# Altium PCB 移动无线控制.PcbDoc (part 3 of 4) (continued)
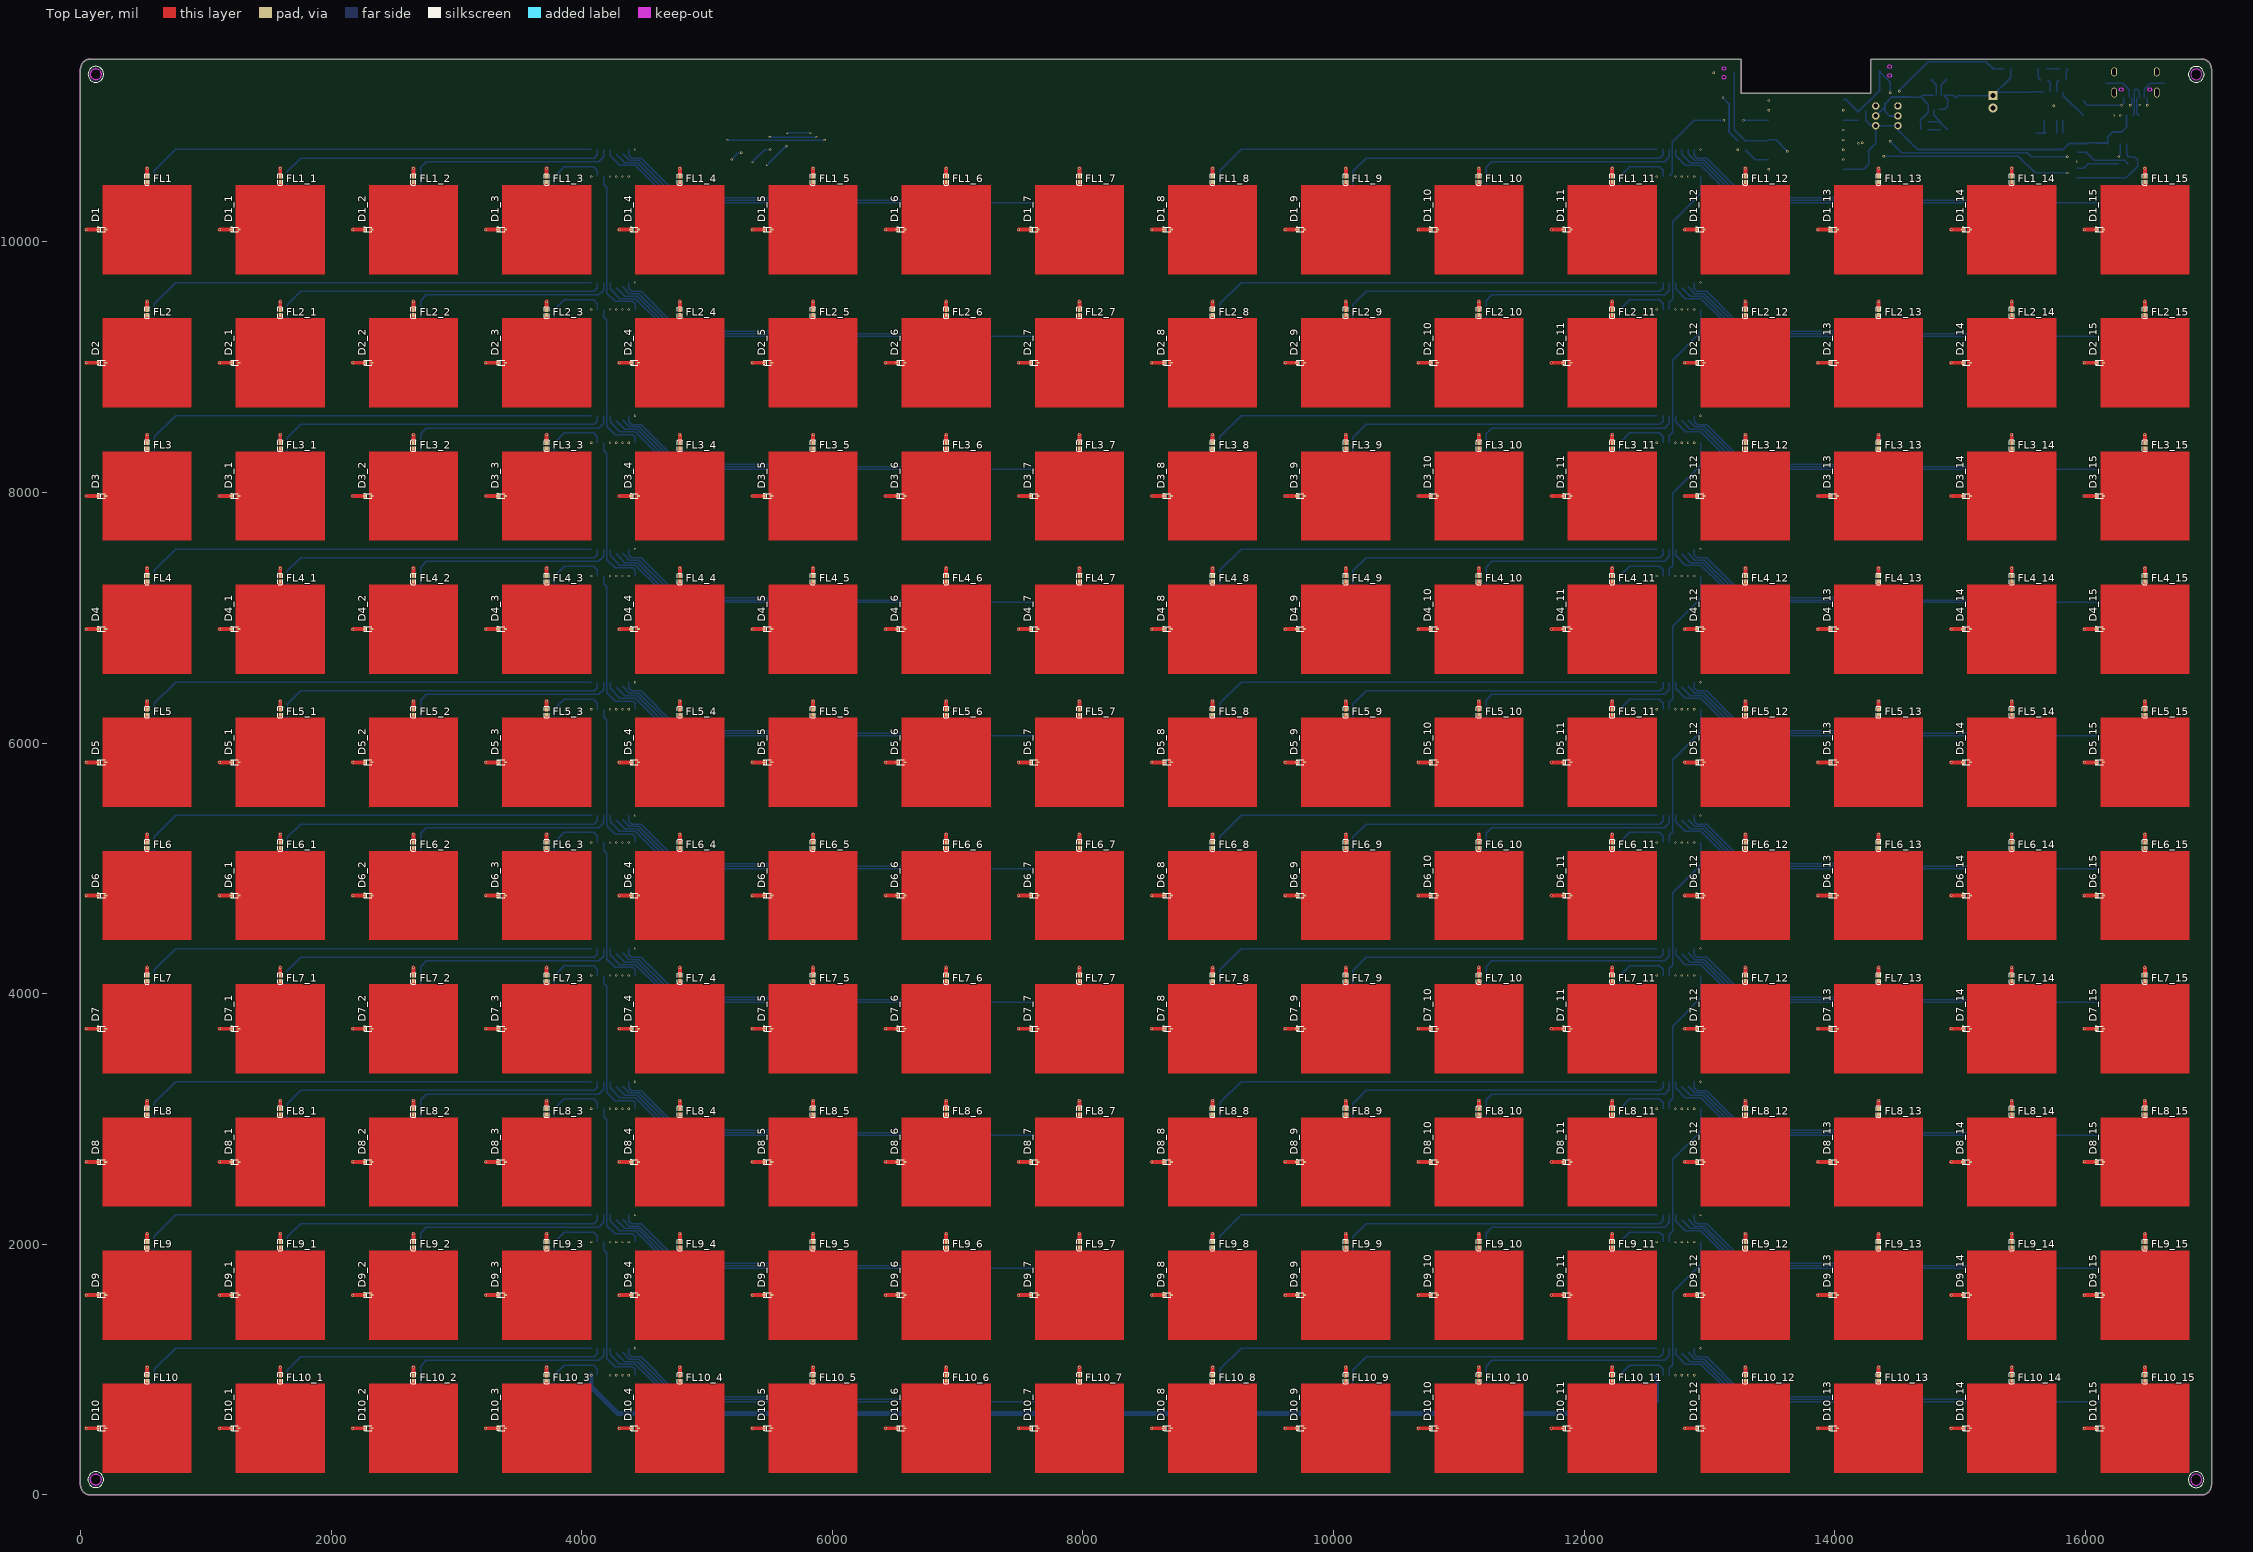
[diagram p0: Top Layer view]
## Nets (pads, with @x,y where several pads share a name; then routed paths per layer and width w, separated by ;. In a path a pad name is that pad's centre, name@x,y a point inside that pad or via, vN(x,y) a via of type N, cw(c..) or ccw(c..) an arc to the next point about the centre after c; other vN are vias at no path point) (continued)
NewNet547: 
NewNet548: U6_4.9 U6_6.14 | length 1166.5
  Bottom Layer w10: U6_6.14@12680.1,7333.92 12680.1,7391.62 12706.1,7417.62 12706.1,7994.42 12930.1,8218.42 U6_4.9@12930.1,8396.92
NewNet549: BR_8_5.2 U6_5.1 | length 3720.1
  Bottom Layer w10: BR_8_5.2@589.92,8279.52 589.92,8443.48 758.76,8612.32 U6_5.1@4076.16,8612.32
NewNet550: BR_7_5.2 U6_5.2 | length 2730.8
  Bottom Layer w10: BR_7_5.2@1650.92,8280.02 1650.92,8437.38 1757.16,8543.62 4101.46,8543.62 4126.16,8568.32 U6_5.2@4126.16,8612.32
NewNet551: BR_6_5.2 U6_5.3 | length 1744.5
  Bottom Layer w10: BR_6_5.2@2715.12,8279.52 2715.12,8468.38 2761.36,8514.62 4138.16,8514.62 4176.16,8552.62 U6_5.3@4176.16,8612.32
NewNet552: BR_5_5.2 U6_5.15 | length 558.4
  Bottom Layer w10: BR_5_5.2@3780.22,8277.02 3780.22,8394.58 3861.56,8475.92 4095.76,8475.92 4126.16,8445.52 U6_5.15@4126.16,8396.92
NewNet553: BR_4_5.2 U6_5.7 | length 507.6
  Bottom Layer w10: U6_5.7@4376.16,8612.32 4376.16,8564.02 4397.76,8542.42 4474.86,8542.42 BR_4_5.2@4723.53,8293.75
NewNet554: BR_3_5.2 U6_5.6 | length 1652.2
  Bottom Layer w10: U6_5.6@4326.16,8578.22 4380.16,8524.22 4457.26,8524.22 4661.56,8319.92 4661.56,8282.32 4718.86,8225.02 5729.82,8225.02 BR_3_5.2@5786.52,8281.72
NewNet555: BR_2_5.2 U6_5.5 | length 2782.1
  Bottom Layer w10: 4276.16,8572.82 4344.36,8504.62 4444.16,8504.62 4632.06,8316.72 4632.06,8274.32 4701.06,8205.32 6773.11,8205.32 BR_2_5.2@6849.51,8281.72
NewNet556: BR_1_5.2 U6_5.4 | length 3956.9
  Bottom Layer w10: U6_5.4@4226.16,8612.32 4226.16,8563.32 4304.86,8484.62 4428.66,8484.62 4598.86,8314.42 4598.86,8271.32 4684.66,8185.52 7816.3,8185.52 BR_1_5.2@7912.5,8281.72
NewNet557: 
NewNet558: U6_5.14 U6_7.9 | length 1248.5
  Bottom Layer w10: U6_5.14@4176.16,8396.92 4176.16,8335.99 4201.7,8310.45 4201.7,7465.25 4267.9,7399.05 4407.8,7399.05 4426.16,7380.69 U6_7.9@4426.16,7333.92
NewNet559: BR_8_6.2 U6_6.1 | length 3720.1
  Bottom Layer w10: BR_8_6.2@9093.86,7216.52 9093.86,7380.48 9262.7,7549.32 U6_6.1@12580.1,7549.32
NewNet560: BR_7_6.2 U6_6.2 | length 2730.8
  Bottom Layer w10: BR_7_6.2@10154.86,7217.02 10154.86,7374.38 10261.1,7480.62 12605.4,7480.62 12630.1,7505.32 U6_6.2@12630.1,7549.32
NewNet561: BR_6_6.2 U6_6.3 | length 1744.5
  Bottom Layer w10: BR_6_6.2@11219.06,7216.52 11219.06,7405.38 11265.3,7451.62 12642.1,7451.62 12680.1,7489.62 U6_6.3@12680.1,7549.32
NewNet562: BR_5_6.2 U6_6.15 | length 558.4
  Bottom Layer w10: BR_5_6.2@12284.16,7214.02 12284.16,7331.58 12365.5,7412.92 12599.7,7412.92 12630.1,7382.52 U6_6.15@12630.1,7333.92
NewNet563: BR_4_6.2 U6_6.7 | length 507.6
  Bottom Layer w10: U6_6.7@12880.1,7549.32 12880.1,7501.02 12901.7,7479.42 12978.8,7479.42 BR_4_6.2@13227.46,7230.76
NewNet564: BR_3_6.2 U6_6.6 | length 1652.2
  Bottom Layer w10: U6_6.6@12830.1,7515.22 12884.1,7461.22 12961.2,7461.22 13165.5,7256.92 13165.5,7219.32 13222.8,7162.02 14233.76,7162.02 BR_3_6.2@14290.46,7218.72
NewNet565: BR_2_6.2 U6_6.5 | length 2782.1
  Bottom Layer w10: 12780.1,7509.82 12848.3,7441.62 12948.1,7441.62 13136,7253.72 13136,7211.32 13205,7142.32 15277.05,7142.32 BR_2_6.2@15353.45,7218.72
NewNet566: BR_1_6.2 U6_6.4 | length 3956.9
  Bottom Layer w10: U6_6.4@12730.1,7549.32 12730.1,7500.32 12808.8,7421.62 12932.6,7421.62 13102.8,7251.42 13102.8,7208.32 13188.6,7122.52 16320.24,7122.52 BR_1_6.2@16416.44,7218.72
NewNet567: 
NewNet568: U6_6.9 U6_8.14 | length 1166.5
  Bottom Layer w10: U6_8.14@12680.1,6270.93 12680.1,6328.62 12706.1,6354.62 12706.1,6931.42 12930.1,7155.42 U6_6.9@12930.1,7333.92
NewNet569: BR_8_7.2 U6_7.1 | length 3720.1
  Bottom Layer w10: BR_8_7.2@589.92,7216.52 589.92,7380.48 758.76,7549.32 U6_7.1@4076.16,7549.32
NewNet570: BR_7_7.2 U6_7.2 | length 2730.8
  Bottom Layer w10: BR_7_7.2@1650.92,7217.02 1650.92,7374.38 1757.16,7480.62 4101.46,7480.62 4126.16,7505.32 U6_7.2@4126.16,7549.32
NewNet571: BR_6_7.2 U6_7.3 | length 1744.5
  Bottom Layer w10: BR_6_7.2@2715.12,7216.52 2715.12,7405.38 2761.36,7451.62 4138.16,7451.62 4176.16,7489.62 U6_7.3@4176.16,7549.32
NewNet572: BR_5_7.2 U6_7.15 | length 558.4
  Bottom Layer w10: BR_5_7.2@3780.22,7214.02 3780.22,7331.58 3861.56,7412.92 4095.76,7412.92 4126.16,7382.52 U6_7.15@4126.16,7333.92
NewNet573: BR_4_7.2 U6_7.7 | length 507.6
  Bottom Layer w10: U6_7.7@4376.16,7549.32 4376.16,7501.02 4397.76,7479.42 4474.86,7479.42 BR_4_7.2@4723.53,7230.76
NewNet574: BR_3_7.2 U6_7.6 | length 1652.2
  Bottom Layer w10: U6_7.6@4326.16,7515.22 4380.16,7461.22 4457.26,7461.22 4661.56,7256.92 4661.56,7219.32 4718.86,7162.02 5729.82,7162.02 BR_3_7.2@5786.52,7218.72
NewNet575: BR_2_7.2 U6_7.5 | length 2782.1
  Bottom Layer w10: 4276.16,7509.82 4344.36,7441.62 4444.16,7441.62 4632.06,7253.72 4632.06,7211.32 4701.06,7142.32 6773.11,7142.32 BR_2_7.2@6849.51,7218.72
NewNet576: BR_1_7.2 U6_7.4 | length 3956.9
  Bottom Layer w10: U6_7.4@4226.16,7549.32 4226.16,7500.32 4304.86,7421.62 4428.66,7421.62 4598.86,7251.42 4598.86,7208.32 4684.66,7122.52 7816.3,7122.52 BR_1_7.2@7912.5,7218.72
NewNet577: 
NewNet578: U6_7.14 U6_9.9 | length 1248.5
  Bottom Layer w10: U6_7.14@4176.16,7333.92 4176.16,7273 4201.7,7247.46 4201.7,6402.26 4267.9,6336.06 4407.8,6336.06 4426.16,6317.7 U6_9.9@4426.16,6270.93
NewNet579: BR_8_8.2 U6_8.1 | length 3720.1
  Bottom Layer w10: BR_8_8.2@9093.86,6153.53 9093.86,6317.49 9262.7,6486.33 U6_8.1@12580.1,6486.33
NewNet580: BR_7_8.2 U6_8.2 | length 2730.8
  Bottom Layer w10: BR_7_8.2@10154.86,6154.03 10154.86,6311.39 10261.1,6417.63 12605.4,6417.63 12630.1,6442.33 U6_8.2@12630.1,6486.33
NewNet581: BR_6_8.2 U6_8.3 | length 1744.5
  Bottom Layer w10: BR_6_8.2@11219.06,6153.53 11219.06,6342.39 11265.3,6388.63 12642.1,6388.63 12680.1,6426.63 U6_8.3@12680.1,6486.33
NewNet582: BR_5_8.2 U6_8.15 | length 558.4
  Bottom Layer w10: BR_5_8.2@12284.16,6151.03 12284.16,6268.59 12365.5,6349.93 12599.7,6349.93 12630.1,6319.53 U6_8.15@12630.1,6270.93
NewNet583: BR_4_8.2 U6_8.7 | length 507.6
  Bottom Layer w10: U6_8.7@12880.1,6486.33 12880.1,6438.03 12901.7,6416.43 12978.8,6416.43 BR_4_8.2@13227.46,6167.77
NewNet584: BR_3_8.2 U6_8.6 | length 1652.2
  Bottom Layer w10: U6_8.6@12830.1,6452.23 12884.1,6398.23 12961.2,6398.23 13165.5,6193.93 13165.5,6156.33 13222.8,6099.03 14233.76,6099.03 BR_3_8.2@14290.46,6155.73
NewNet585: BR_2_8.2 U6_8.5 | length 2782.1
  Bottom Layer w10: 12780.1,6446.83 12848.3,6378.63 12948.1,6378.63 13136,6190.73 13136,6148.33 13205,6079.33 15277.05,6079.33 BR_2_8.2@15353.45,6155.73
NewNet586: BR_1_8.2 U6_8.4 | length 3956.9
  Bottom Layer w10: U6_8.4@12730.1,6486.33 12730.1,6437.33 12808.8,6358.63 12932.6,6358.63 13102.8,6188.43 13102.8,6145.33 13188.6,6059.53 16320.24,6059.53 BR_1_8.2@16416.44,6155.73
NewNet587: 
NewNet588: U6_8.9 U6_10.14 | length 1166.5
  Bottom Layer w10: U6_10.14@12680.1,5207.94 12680.1,5265.63 12706.1,5291.63 12706.1,5868.43 12930.1,6092.43 U6_8.9@12930.1,6270.93
NewNet589: BR_8_9.2 U6_9.1 | length 3720.1
  Bottom Layer w10: BR_8_9.2@589.92,6153.53 589.92,6317.49 758.76,6486.33 U6_9.1@4076.16,6486.33
NewNet590: BR_7_9.2 U6_9.2 | length 2730.8
  Bottom Layer w10: BR_7_9.2@1650.92,6154.03 1650.92,6311.39 1757.16,6417.63 4101.46,6417.63 4126.16,6442.33 U6_9.2@4126.16,6486.33
NewNet591: BR_6_9.2 U6_9.3 | length 1744.5
  Bottom Layer w10: BR_6_9.2@2715.12,6153.53 2715.12,6342.39 2761.36,6388.63 4138.16,6388.63 4176.16,6426.63 U6_9.3@4176.16,6486.33
NewNet592: BR_5_9.2 U6_9.15 | length 558.4
  Bottom Layer w10: BR_5_9.2@3780.22,6151.03 3780.22,6268.59 3861.56,6349.93 4095.76,6349.93 4126.16,6319.53 U6_9.15@4126.16,6270.93
NewNet593: BR_4_9.2 U6_9.7 | length 507.6
  Bottom Layer w10: U6_9.7@4376.16,6486.33 4376.16,6438.03 4397.76,6416.43 4474.86,6416.43 BR_4_9.2@4723.53,6167.77
NewNet594: BR_3_9.2 U6_9.6 | length 1652.2
  Bottom Layer w10: U6_9.6@4326.16,6452.23 4380.16,6398.23 4457.26,6398.23 4661.56,6193.93 4661.56,6156.33 4718.86,6099.03 5729.82,6099.03 BR_3_9.2@5786.52,6155.73
NewNet595: BR_2_9.2 U6_9.5 | length 2782.1
  Bottom Layer w10: 4276.16,6446.83 4344.36,6378.63 4444.16,6378.63 4632.06,6190.73 4632.06,6148.33 4701.06,6079.33 6773.11,6079.33 BR_2_9.2@6849.51,6155.73
NewNet596: BR_1_9.2 U6_9.4 | length 3956.9
  Bottom Layer w10: U6_9.4@4226.16,6486.33 4226.16,6437.33 4304.86,6358.63 4428.66,6358.63 4598.86,6188.43 4598.86,6145.33 4684.66,6059.53 7816.3,6059.53 BR_1_9.2@7912.5,6155.73
NewNet597: 
NewNet598: U6_9.14 U6_11.9 | length 1248.5
  Bottom Layer w10: U6_9.14@4176.16,6270.93 4176.16,6210.01 4201.7,6184.47 4201.7,5339.27 4267.9,5273.07 4407.8,5273.07 4426.16,5254.71 U6_11.9@4426.16,5207.94
NewNet599: BR_8_10.2 U6_10.1 | length 3720.1
  Bottom Layer w10: BR_8_10.2@9093.86,5090.54 9093.86,5254.5 9262.7,5423.34 U6_10.1@12580.1,5423.34
NewNet600: BR_7_10.2 U6_10.2 | length 2730.8
  Bottom Layer w10: BR_7_10.2@10154.86,5091.04 10154.86,5248.4 10261.1,5354.64 12605.4,5354.64 12630.1,5379.34 U6_10.2@12630.1,5423.34
NewNet601: BR_6_10.2 U6_10.3 | length 1744.5
  Bottom Layer w10: BR_6_10.2@11219.06,5090.54 11219.06,5279.4 11265.3,5325.64 12642.1,5325.64 12680.1,5363.64 U6_10.3@12680.1,5423.34
NewNet602: BR_5_10.2 U6_10.15 | length 558.4
  Bottom Layer w10: BR_5_10.2@12284.16,5088.04 12284.16,5205.6 12365.5,5286.94 12599.7,5286.94 12630.1,5256.54 U6_10.15@12630.1,5207.94
NewNet603: BR_4_10.2 U6_10.7 | length 507.6
  Bottom Layer w10: U6_10.7@12880.1,5423.34 12880.1,5375.04 12901.7,5353.44 12978.8,5353.44 BR_4_10.2@13227.46,5104.78
NewNet604: BR_3_10.2 U6_10.6 | length 1652.2
  Bottom Layer w10: U6_10.6@12830.1,5389.24 12884.1,5335.24 12961.2,5335.24 13165.5,5130.94 13165.5,5093.34 13222.8,5036.04 14233.76,5036.04 BR_3_10.2@14290.46,5092.74
NewNet605: BR_2_10.2 U6_10.5 | length 2782.1
  Bottom Layer w10: 12780.1,5383.84 12848.3,5315.64 12948.1,5315.64 13136,5127.74 13136,5085.34 13205,5016.34 15277.05,5016.34 BR_2_10.2@15353.45,5092.74
NewNet606: BR_1_10.2 U6_10.4 | length 3956.9
  Bottom Layer w10: U6_10.4@12730.1,5423.34 12730.1,5374.34 12808.8,5295.64 12932.6,5295.64 13102.8,5125.44 13102.8,5082.34 13188.6,4996.54 16320.24,4996.54 BR_1_10.2@16416.44,5092.74
NewNet607: 
NewNet608: U6_10.9 U6_12.14 | length 1166.5
  Bottom Layer w10: U6_12.14@12680.1,4144.95 12680.1,4202.64 12706.1,4228.64 12706.1,4805.44 12930.1,5029.44 U6_10.9@12930.1,5207.94
NewNet609: BR_8_11.2 U6_11.1 | length 3720.1
  Bottom Layer w10: BR_8_11.2@589.92,5090.54 589.92,5254.5 758.76,5423.34 U6_11.1@4076.16,5423.34
NewNet610: BR_7_11.2 U6_11.2 | length 2730.8
  Bottom Layer w10: BR_7_11.2@1650.92,5091.04 1650.92,5248.4 1757.16,5354.64 4101.46,5354.64 4126.16,5379.34 U6_11.2@4126.16,5423.34
NewNet611: BR_6_11.2 U6_11.3 | length 1744.5
  Bottom Layer w10: BR_6_11.2@2715.12,5090.54 2715.12,5279.4 2761.36,5325.64 4138.16,5325.64 4176.16,5363.64 U6_11.3@4176.16,5423.34
NewNet612: BR_5_11.2 U6_11.15 | length 558.4
  Bottom Layer w10: BR_5_11.2@3780.22,5088.04 3780.22,5205.6 3861.56,5286.94 4095.76,5286.94 4126.16,5256.54 U6_11.15@4126.16,5207.94
NewNet613: BR_4_11.2 U6_11.7 | length 507.6
  Bottom Layer w10: U6_11.7@4376.16,5423.34 4376.16,5375.04 4397.76,5353.44 4474.86,5353.44 BR_4_11.2@4723.53,5104.78
NewNet614: BR_3_11.2 U6_11.6 | length 1652.2
  Bottom Layer w10: U6_11.6@4326.16,5389.24 4380.16,5335.24 4457.26,5335.24 4661.56,5130.94 4661.56,5093.34 4718.86,5036.04 5729.82,5036.04 BR_3_11.2@5786.52,5092.74
NewNet615: BR_2_11.2 U6_11.5 | length 2782.1
  Bottom Layer w10: 4276.16,5383.84 4344.36,5315.64 4444.16,5315.64 4632.06,5127.74 4632.06,5085.34 4701.06,5016.34 6773.11,5016.34 BR_2_11.2@6849.51,5092.74
NewNet616: BR_1_11.2 U6_11.4 | length 3956.9
  Bottom Layer w10: U6_11.4@4226.16,5423.34 4226.16,5374.34 4304.86,5295.64 4428.66,5295.64 4598.86,5125.44 4598.86,5082.34 4684.66,4996.54 7816.3,4996.54 BR_1_11.2@7912.5,5092.74
NewNet617: 
NewNet618: U6_11.14 U6_13.9 | length 1248.5
  Bottom Layer w10: U6_11.14@4176.16,5207.94 4176.16,5147.01 4201.7,5121.48 4201.7,4276.28 4267.9,4210.08 4407.8,4210.08 4426.16,4191.71 U6_13.9@4426.16,4144.95
NewNet619: BR_8_12.2 U6_12.1 | length 3720.1
  Bottom Layer w10: BR_8_12.2@9093.86,4027.55 9093.86,4191.51 9262.7,4360.35 U6_12.1@12580.1,4360.35
NewNet620: BR_7_12.2 U6_12.2 | length 2730.8
  Bottom Layer w10: BR_7_12.2@10154.86,4028.05 10154.86,4185.41 10261.1,4291.65 12605.4,4291.65 12630.1,4316.35 U6_12.2@12630.1,4360.35
NewNet621: BR_6_12.2 U6_12.3 | length 1744.5
  Bottom Layer w10: BR_6_12.2@11219.06,4027.55 11219.06,4216.41 11265.3,4262.65 12642.1,4262.65 12680.1,4300.65 U6_12.3@12680.1,4360.35
NewNet622: BR_5_12.2 U6_12.15 | length 558.4
  Bottom Layer w10: BR_5_12.2@12284.16,4025.05 12284.16,4142.61 12365.5,4223.95 12599.7,4223.95 12630.1,4193.55 U6_12.15@12630.1,4144.95
NewNet623: BR_4_12.2 U6_12.7 | length 507.6
  Bottom Layer w10: U6_12.7@12880.1,4360.35 12880.1,4312.05 12901.7,4290.45 12978.8,4290.45 BR_4_12.2@13227.46,4041.78
NewNet624: BR_3_12.2 U6_12.6 | length 1652.2
  Bottom Layer w10: U6_12.6@12830.1,4326.25 12884.1,4272.25 12961.2,4272.25 13165.5,4067.95 13165.5,4030.35 13222.8,3973.05 14233.76,3973.05 BR_3_12.2@14290.46,4029.75
NewNet625: BR_2_12.2 U6_12.5 | length 2782.1
  Bottom Layer w10: 12780.1,4320.85 12848.3,4252.65 12948.1,4252.65 13136,4064.75 13136,4022.35 13205,3953.35 15277.05,3953.35 BR_2_12.2@15353.45,4029.75
NewNet626: BR_1_12.2 U6_12.4 | length 3956.9
  Bottom Layer w10: U6_12.4@12730.1,4360.35 12730.1,4311.35 12808.8,4232.65 12932.6,4232.65 13102.8,4062.45 13102.8,4019.35 13188.6,3933.55 16320.24,3933.55 BR_1_12.2@16416.44,4029.75
NewNet627: 
NewNet628: U6_12.9 U6_14.14 | length 1166.5
  Bottom Layer w10: U6_14.14@12680.1,3081.96 12680.1,3139.65 12706.1,3165.65 12706.1,3742.45 12930.1,3966.45 U6_12.9@12930.1,4144.95
NewNet629: BR_8_13.2 U6_13.1 | length 3720.1
  Bottom Layer w10: BR_8_13.2@589.92,4027.55 589.92,4191.51 758.76,4360.35 U6_13.1@4076.16,4360.35
NewNet630: BR_7_13.2 U6_13.2 | length 2730.8
  Bottom Layer w10: BR_7_13.2@1650.92,4028.05 1650.92,4185.41 1757.16,4291.65 4101.46,4291.65 4126.16,4316.35 U6_13.2@4126.16,4360.35
NewNet631: BR_6_13.2 U6_13.3 | length 1744.5
  Bottom Layer w10: BR_6_13.2@2715.12,4027.55 2715.12,4216.41 2761.36,4262.65 4138.16,4262.65 4176.16,4300.65 U6_13.3@4176.16,4360.35
NewNet632: BR_5_13.2 U6_13.15 | length 558.4
  Bottom Layer w10: BR_5_13.2@3780.22,4025.05 3780.22,4142.61 3861.56,4223.95 4095.76,4223.95 4126.16,4193.55 U6_13.15@4126.16,4144.95
NewNet633: BR_4_13.2 U6_13.7 | length 507.6
  Bottom Layer w10: U6_13.7@4376.16,4360.35 4376.16,4312.05 4397.76,4290.45 4474.86,4290.45 BR_4_13.2@4723.53,4041.78
NewNet634: BR_3_13.2 U6_13.6 | length 1652.2
  Bottom Layer w10: U6_13.6@4326.16,4326.25 4380.16,4272.25 4457.26,4272.25 4661.56,4067.95 4661.56,4030.35 4718.86,3973.05 5729.82,3973.05 BR_3_13.2@5786.52,4029.75
NewNet635: BR_2_13.2 U6_13.5 | length 2782.1
  Bottom Layer w10: 4276.16,4320.85 4344.36,4252.65 4444.16,4252.65 4632.06,4064.75 4632.06,4022.35 4701.06,3953.35 6773.11,3953.35 BR_2_13.2@6849.51,4029.75
NewNet636: BR_1_13.2 U6_13.4 | length 3956.9
  Bottom Layer w10: U6_13.4@4226.16,4360.35 4226.16,4311.35 4304.86,4232.65 4428.66,4232.65 4598.86,4062.45 4598.86,4019.35 4684.66,3933.55 7816.3,3933.55 BR_1_13.2@7912.5,4029.75
NewNet637: 
NewNet638: U6_13.14 U6_15.9 | length 1248.5
  Bottom Layer w10: U6_13.14@4176.16,4144.95 4176.16,4084.02 4201.7,4058.48 4201.7,3213.28 4267.9,3147.08 4407.8,3147.08 4426.16,3128.72 U6_15.9@4426.16,3081.96
NewNet639: BR_8_14.2 U6_14.1 | length 3720.1
  Bottom Layer w10: BR_8_14.2@9093.86,2964.56 9093.86,3128.52 9262.7,3297.36 U6_14.1@12580.1,3297.36
NewNet640: BR_7_14.2 U6_14.2 | length 2730.8
  Bottom Layer w10: BR_7_14.2@10154.86,2965.06 10154.86,3122.42 10261.1,3228.66 12605.4,3228.66 12630.1,3253.36 U6_14.2@12630.1,3297.36
NewNet641: BR_6_14.2 U6_14.3 | length 1744.5
  Bottom Layer w10: BR_6_14.2@11219.06,2964.56 11219.06,3153.42 11265.3,3199.66 12642.1,3199.66 12680.1,3237.66 U6_14.3@12680.1,3297.36
NewNet642: BR_5_14.2 U6_14.15 | length 558.4
  Bottom Layer w10: BR_5_14.2@12284.16,2962.06 12284.16,3079.62 12365.5,3160.96 12599.7,3160.96 12630.1,3130.56 U6_14.15@12630.1,3081.96
NewNet643: BR_4_14.2 U6_14.7 | length 507.6
  Bottom Layer w10: U6_14.7@12880.1,3297.36 12880.1,3249.06 12901.7,3227.46 12978.8,3227.46 BR_4_14.2@13227.46,2978.79
NewNet644: BR_3_14.2 U6_14.6 | length 1652.2
  Bottom Layer w10: U6_14.6@12830.1,3263.26 12884.1,3209.26 12961.2,3209.26 13165.5,3004.96 13165.5,2967.36 13222.8,2910.06 14233.76,2910.06 BR_3_14.2@14290.46,2966.76
NewNet645: BR_2_14.2 U6_14.5 | length 2782.1
  Bottom Layer w10: 12780.1,3257.86 12848.3,3189.66 12948.1,3189.66 13136,3001.76 13136,2959.36 13205,2890.36 15277.05,2890.36 BR_2_14.2@15353.45,2966.76
NewNet646: BR_1_14.2 U6_14.4 | length 3956.9
  Bottom Layer w10: U6_14.4@12730.1,3297.36 12730.1,3248.36 12808.8,3169.66 12932.6,3169.66 13102.8,2999.46 13102.8,2956.36 13188.6,2870.56 16320.24,2870.56 BR_1_14.2@16416.44,2966.76
NewNet647: 
NewNet648: U6_14.9 U6_16.14 | length 1166.5
  Bottom Layer w10: U6_16.14@12680.1,2018.96 12680.1,2076.66 12706.1,2102.66 12706.1,2679.46 12930.1,2903.46 U6_14.9@12930.1,3081.96
NewNet649: BR_8_15.2 U6_15.1 | length 3720.1
  Bottom Layer w10: BR_8_15.2@589.92,2964.56 589.92,3128.52 758.76,3297.36 U6_15.1@4076.16,3297.36
NewNet650: BR_7_15.2 U6_15.2 | length 2730.8
  Bottom Layer w10: BR_7_15.2@1650.92,2965.06 1650.92,3122.42 1757.16,3228.66 4101.46,3228.66 4126.16,3253.36 U6_15.2@4126.16,3297.36
NewNet651: BR_6_15.2 U6_15.3 | length 1744.5
  Bottom Layer w10: BR_6_15.2@2715.12,2964.56 2715.12,3153.42 2761.36,3199.66 4138.16,3199.66 4176.16,3237.66 U6_15.3@4176.16,3297.36
NewNet652: BR_5_15.2 U6_15.15 | length 558.4
  Bottom Layer w10: BR_5_15.2@3780.22,2962.06 3780.22,3079.62 3861.56,3160.96 4095.76,3160.96 4126.16,3130.56 U6_15.15@4126.16,3081.96
NewNet653: BR_4_15.2 U6_15.7 | length 507.6
  Bottom Layer w10: U6_15.7@4376.16,3297.36 4376.16,3249.06 4397.76,3227.46 4474.86,3227.46 BR_4_15.2@4723.53,2978.79
NewNet654: BR_3_15.2 U6_15.6 | length 1652.2
  Bottom Layer w10: U6_15.6@4326.16,3263.26 4380.16,3209.26 4457.26,3209.26 4661.56,3004.96 4661.56,2967.36 4718.86,2910.06 5729.82,2910.06 BR_3_15.2@5786.52,2966.76
NewNet655: BR_2_15.2 U6_15.5 | length 2782.1
  Bottom Layer w10: 4276.16,3257.86 4344.36,3189.66 4444.16,3189.66 4632.06,3001.76 4632.06,2959.36 4701.06,2890.36 6773.11,2890.36 BR_2_15.2@6849.51,2966.76
NewNet656: BR_1_15.2 U6_15.4 | length 3956.9
  Bottom Layer w10: U6_15.4@4226.16,3297.36 4226.16,3248.36 4304.86,3169.66 4428.66,3169.66 4598.86,2999.46 4598.86,2956.36 4684.66,2870.56 7816.3,2870.56 BR_1_15.2@7912.5,2966.76
NewNet657: 
NewNet658: U6_15.14 U6_17.9 | length 1248.5
  Bottom Layer w10: U6_15.14@4176.16,3081.96 4176.16,3021.03 4201.7,2995.49 4201.7,2150.29 4267.9,2084.09 4407.8,2084.09 4426.16,2065.73 U6_17.9@4426.16,2018.96
NewNet659: BR_8_16.2 U6_16.1 | length 3720.1
  Bottom Layer w10: BR_8_16.2@9093.86,1901.56 9093.86,2065.52 9262.7,2234.36 U6_16.1@12580.1,2234.36
NewNet660: BR_7_16.2 U6_16.2 | length 2730.8
  Bottom Layer w10: BR_7_16.2@10154.86,1902.06 10154.86,2059.42 10261.1,2165.66 12605.4,2165.66 12630.1,2190.36 U6_16.2@12630.1,2234.36
NewNet661: BR_6_16.2 U6_16.3 | length 1744.5
  Bottom Layer w10: BR_6_16.2@11219.06,1901.56 11219.06,2090.42 11265.3,2136.66 12642.1,2136.66 12680.1,2174.66 U6_16.3@12680.1,2234.36
NewNet662: BR_5_16.2 U6_16.15 | length 558.4
  Bottom Layer w10: BR_5_16.2@12284.16,1899.06 12284.16,2016.62 12365.5,2097.96 12599.7,2097.96 12630.1,2067.56 U6_16.15@12630.1,2018.96
NewNet663: BR_4_16.2 U6_16.7 | length 507.6
  Bottom Layer w10: U6_16.7@12880.1,2234.36 12880.1,2186.06 12901.7,2164.46 12978.8,2164.46 BR_4_16.2@13227.46,1915.8
NewNet664: BR_3_16.2 U6_16.6 | length 1652.2
  Bottom Layer w10: U6_16.6@12830.1,2200.26 12884.1,2146.26 12961.2,2146.26 13165.5,1941.96 13165.5,1904.36 13222.8,1847.06 14233.76,1847.06 BR_3_16.2@14290.46,1903.76
NewNet665: BR_2_16.2 U6_16.5 | length 2782.1
  Bottom Layer w10: 12780.1,2194.86 12848.3,2126.66 12948.1,2126.66 13136,1938.76 13136,1896.36 13205,1827.36 15277.05,1827.36 BR_2_16.2@15353.45,1903.76
NewNet666: BR_1_16.2 U6_16.4 | length 3956.9
  Bottom Layer w10: U6_16.4@12730.1,2234.36 12730.1,2185.36 12808.8,2106.66 12932.6,2106.66 13102.8,1936.46 13102.8,1893.36 13188.6,1807.56 16320.24,1807.56 BR_1_16.2@16416.44,1903.76
NewNet667: 
NewNet668: U6_16.9 U6_18.14 | length 1166.5
  Bottom Layer w10: U6_18.14@12680.1,955.97 12680.1,1013.66 12706.1,1039.66 12706.1,1616.46 12930.1,1840.46 U6_16.9@12930.1,2018.96
NewNet669: BR_8_17.2 U6_17.1 | length 3720.1
  Bottom Layer w10: BR_8_17.2@589.92,1901.56 589.92,2065.52 758.76,2234.36 U6_17.1@4076.16,2234.36
NewNet670: BR_7_17.2 U6_17.2 | length 2730.8
  Bottom Layer w10: BR_7_17.2@1650.92,1902.06 1650.92,2059.42 1757.16,2165.66 4101.46,2165.66 4126.16,2190.36 U6_17.2@4126.16,2234.36
NewNet671: BR_6_17.2 U6_17.3 | length 1744.5
  Bottom Layer w10: BR_6_17.2@2715.12,1901.56 2715.12,2090.42 2761.36,2136.66 4138.16,2136.66 4176.16,2174.66 U6_17.3@4176.16,2234.36
NewNet672: BR_5_17.2 U6_17.15 | length 558.4
  Bottom Layer w10: BR_5_17.2@3780.22,1899.06 3780.22,2016.62 3861.56,2097.96 4095.76,2097.96 4126.16,2067.56 U6_17.15@4126.16,2018.96
NewNet673: BR_4_17.2 U6_17.7 | length 507.6
  Bottom Layer w10: U6_17.7@4376.16,2234.36 4376.16,2186.06 4397.76,2164.46 4474.86,2164.46 BR_4_17.2@4723.53,1915.8
NewNet674: BR_3_17.2 U6_17.6 | length 1652.2
  Bottom Layer w10: U6_17.6@4326.16,2200.26 4380.16,2146.26 4457.26,2146.26 4661.56,1941.96 4661.56,1904.36 4718.86,1847.06 5729.82,1847.06 BR_3_17.2@5786.52,1903.76
NewNet675: BR_2_17.2 U6_17.5 | length 2782.1
  Bottom Layer w10: 4276.16,2194.86 4344.36,2126.66 4444.16,2126.66 4632.06,1938.76 4632.06,1896.36 4701.06,1827.36 6773.11,1827.36 BR_2_17.2@6849.51,1903.76
NewNet676: BR_1_17.2 U6_17.4 | length 3956.9
  Bottom Layer w10: U6_17.4@4226.16,2234.36 4226.16,2185.36 4304.86,2106.66 4428.66,2106.66 4598.86,1936.46 4598.86,1893.36 4684.66,1807.56 7816.3,1807.56 BR_1_17.2@7912.5,1903.76
NewNet677: 
NewNet678: U6_17.14 U6_19.9 | length 1248.5
  Bottom Layer w10: U6_17.14@4176.16,2018.96 4176.16,1958.04 4201.7,1932.5 4201.7,1087.3 4267.9,1021.1 4407.8,1021.1 4426.16,1002.74 U6_19.9@4426.16,955.97
NewNet679: BR_8_18.2 U6_18.1 | length 3720.1
  Bottom Layer w10: BR_8_18.2@9093.86,838.57 9093.86,1002.53 9262.7,1171.37 U6_18.1@12580.1,1171.37
NewNet680: BR_7_18.2 U6_18.2 | length 2730.8
  Bottom Layer w10: BR_7_18.2@10154.86,839.07 10154.86,996.43 10261.1,1102.67 12605.4,1102.67 12630.1,1127.37 U6_18.2@12630.1,1171.37
NewNet681: BR_6_18.2 U6_18.3 | length 1744.5
  Bottom Layer w10: BR_6_18.2@11219.06,838.57 11219.06,1027.43 11265.3,1073.67 12642.1,1073.67 12680.1,1111.67 U6_18.3@12680.1,1171.37
NewNet682: BR_5_18.2 U6_18.15 | length 558.4
  Bottom Layer w10: BR_5_18.2@12284.16,836.07 12284.16,953.63 12365.5,1034.97 12599.7,1034.97 12630.1,1004.57 U6_18.15@12630.1,955.97
NewNet683: BR_4_18.2 U6_18.7 | length 507.6
  Bottom Layer w10: U6_18.7@12880.1,1171.37 12880.1,1123.07 12901.7,1101.47 12978.8,1101.47 BR_4_18.2@13227.46,852.81
NewNet684: BR_3_18.2 U6_18.6 | length 1652.2
  Bottom Layer w10: U6_18.6@12830.1,1137.27 12884.1,1083.27 12961.2,1083.27 13165.5,878.97 13165.5,841.37 13222.8,784.07 14233.76,784.07 BR_3_18.2@14290.46,840.77
NewNet685: BR_2_18.2 U6_18.5 | length 2782.1
  Bottom Layer w10: 12780.1,1131.87 12848.3,1063.67 12948.1,1063.67 13136,875.77 13136,833.37 13205,764.37 15277.05,764.37 BR_2_18.2@15353.45,840.77
NewNet686: BR_1_18.2 U6_18.4 | length 3956.9
  Bottom Layer w10: U6_18.4@12730.1,1171.37 12730.1,1122.37 12808.8,1043.67 12932.6,1043.67 13102.8,873.47 13102.8,830.37 13188.6,744.57 16320.24,744.57 BR_1_18.2@16416.44,840.77
NewNet687: 
NewNet688: BR_8_19.2 U6_19.1 | length 3720.1
  Bottom Layer w10: BR_8_19.2@589.92,838.57 589.92,1002.53 758.76,1171.37 U6_19.1@4076.16,1171.37
NewNet689: BR_7_19.2 U6_19.2 | length 2730.8
  Bottom Layer w10: BR_7_19.2@1650.92,839.07 1650.92,996.43 1757.16,1102.67 4101.46,1102.67 4126.16,1127.37 U6_19.2@4126.16,1171.37
NewNet690: BR_6_19.2 U6_19.3 | length 1744.5
  Bottom Layer w10: BR_6_19.2@2715.12,838.57 2715.12,1027.43 2761.36,1073.67 4138.16,1073.67 4176.16,1111.67 U6_19.3@4176.16,1171.37
NewNet691: BR_5_19.2 U6_19.15 | length 558.4
  Bottom Layer w10: BR_5_19.2@3780.22,836.07 3780.22,953.63 3861.56,1034.97 4095.76,1034.97 4126.16,1004.57 U6_19.15@4126.16,955.97
NewNet692: BR_4_19.2 U6_19.7 | length 507.6
  Bottom Layer w10: U6_19.7@4376.16,1171.37 4376.16,1123.07 4397.76,1101.47 4474.86,1101.47 BR_4_19.2@4723.53,852.81